# Altium PCB SAMA5D27-SOM1-MFG-03.PcbDoc (part 2 of 6) (continued)
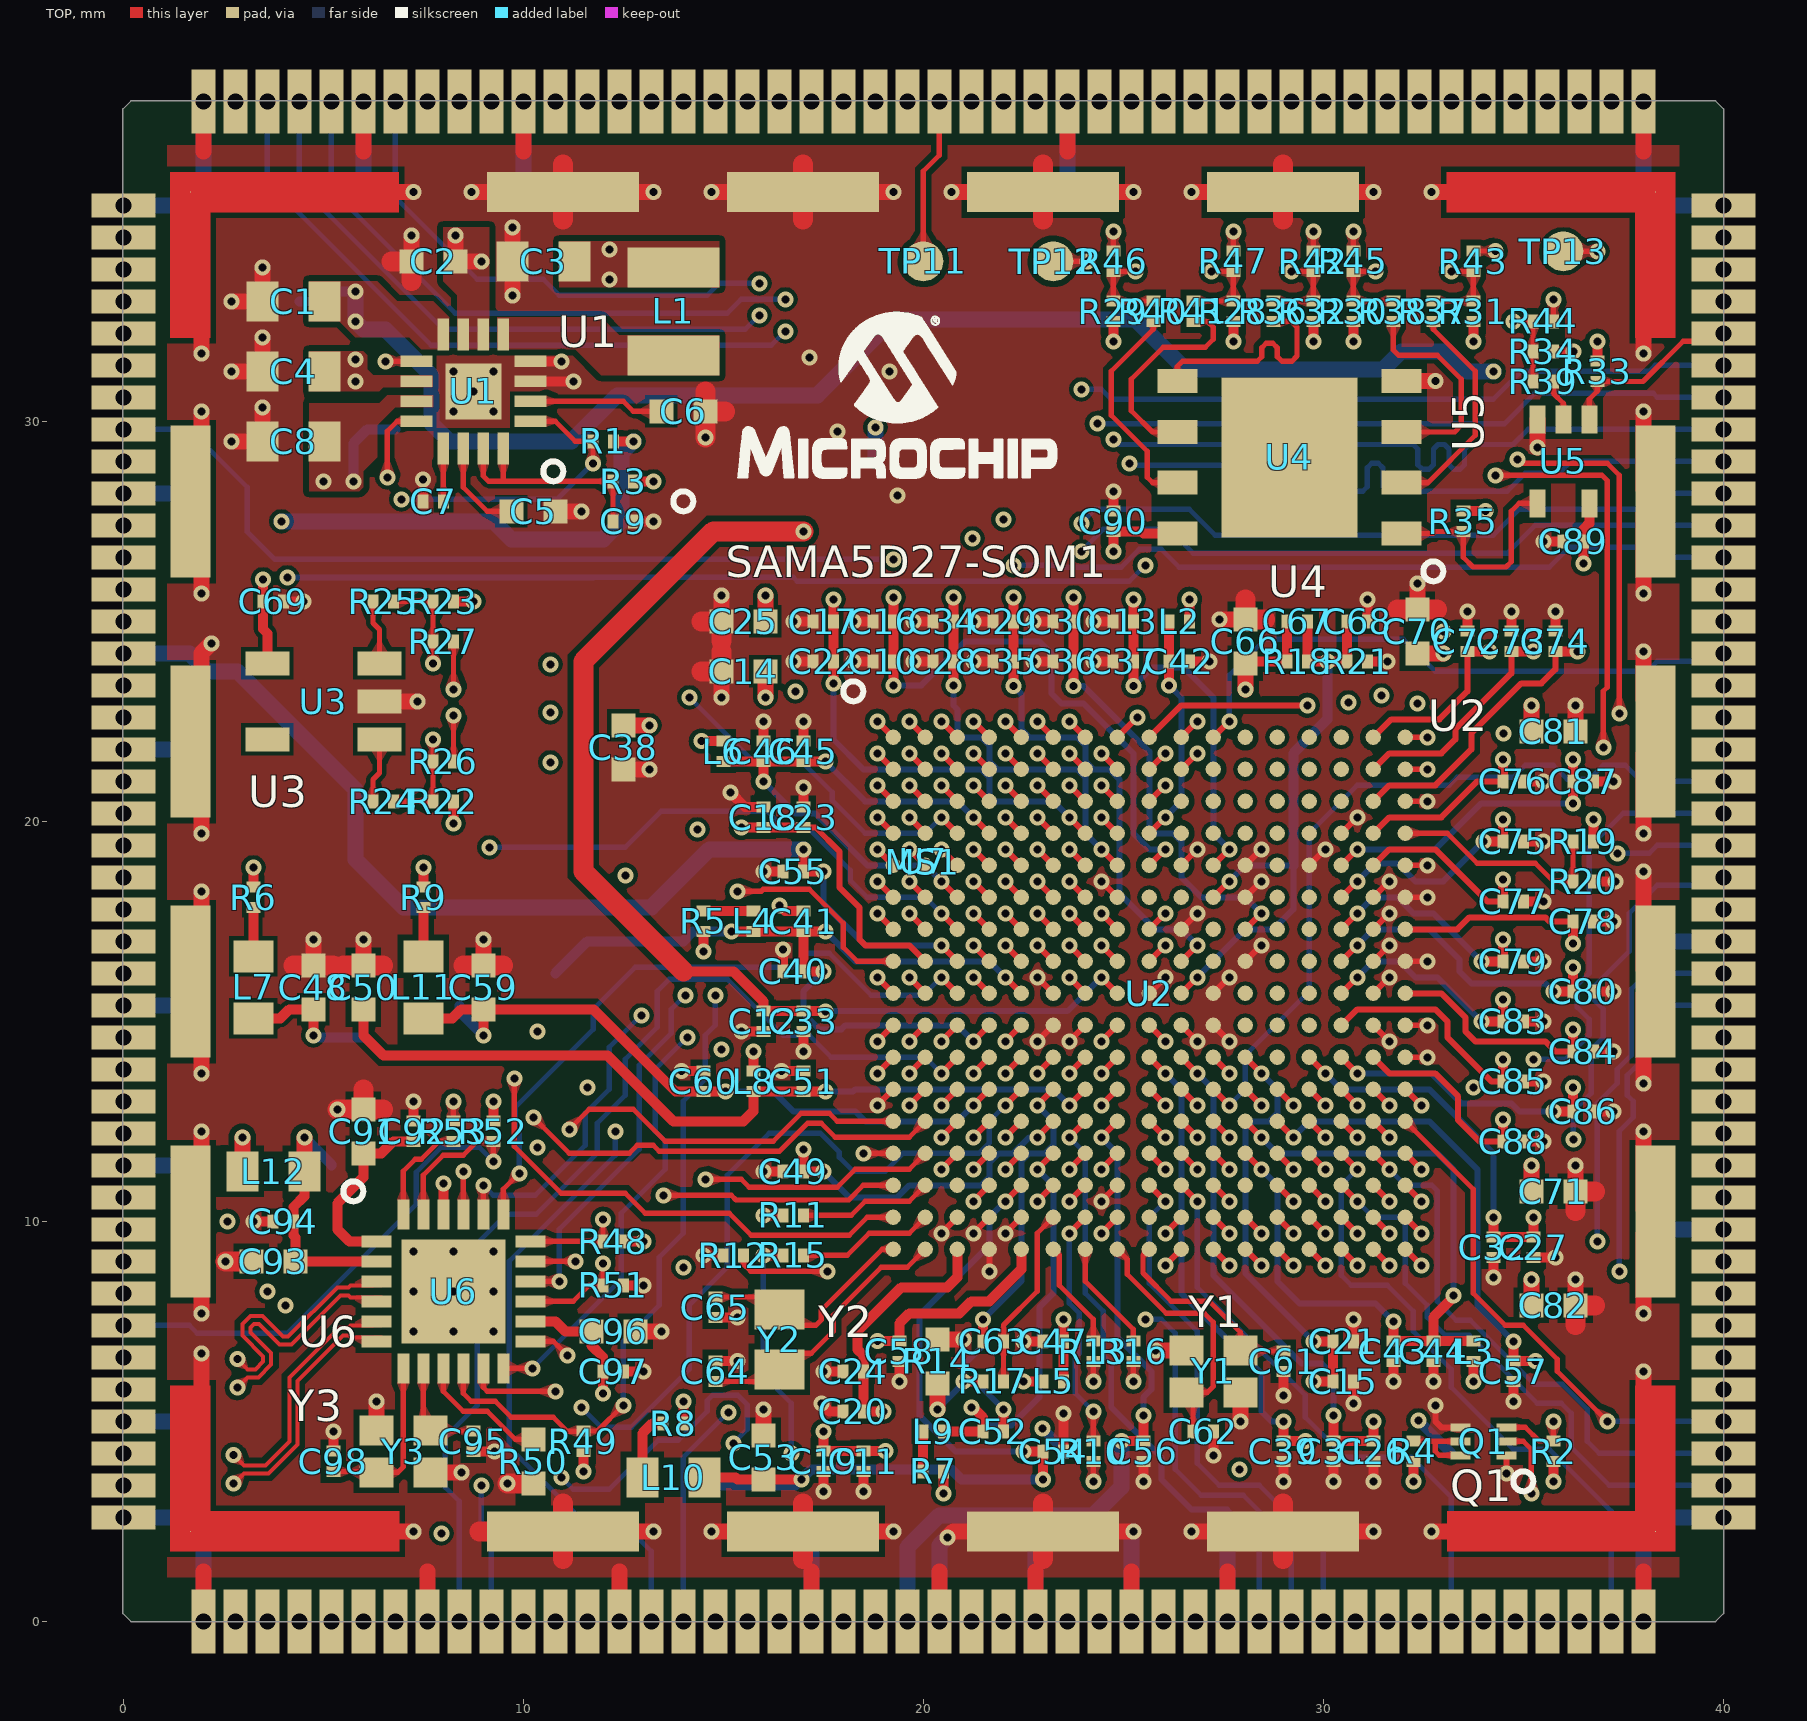
[diagram p0: TOP view]
## Nets (pads, with @x,y where several pads share a name; then routed paths per layer and width w, separated by ;. In a path a pad name is that pad's centre, name@x,y a point inside that pad or via, vN(x,y) a via of type N, cw(c..) or ccw(c..) an arc to the next point about the centre after c; other vN are vias at no path point) (continued)
  TOP w0.15: v1(24.45,20.9) U2.C8@24.85,20.5
  IN2 w0.09: v1(24.45,20.9) 24.975,21.425 24.975,22.825 25.164,23.014 25.464,23.014 25.78,23.33 25.78,23.75 26,23.97 26,24.9 26.29,25.19 26.29,27.81 v1(25.15,28.95)
  BOTTOM w0.13: v1(25.15,28.95) 25.2,28.9 29.35,28.9 30,28.25 30.985,28.25 31.099,28.364 31.099,28.836 31.214,28.95 31.375,28.95 31.489,28.836 31.489,28.364 31.604,28.25 34.6,28.25 35.05,28.7 35.9,28.7 36.2,29 U7.122@40,29
PB02/PWMFI0/CLASSD_R1: U2.C7 U7.124 | length 26.7
  TOP w0.15: v1(23.65,20.9) U2.C7@24.05,20.5
  IN2 w0.09: v1(23.65,20.9) 24.05,21.3 24.05,21.9 24.45,22.3 24.45,23.387 25.05,23.987 25.05,25.235 24.875,25.41 24.875,25.775 25.15,26.05 25.15,27.3 24.35,28.1 v1(24.35,29.94)
  BOTTOM w0.13: v1(24.35,29.94) 34.528,29.94 35.288,30.7 38.25,30.7 38.35,30.6 U7.124@40,30.6
PB03/URXD4/IRQ/PWMEXTRG0/CLASSD: U2.B8 U7.123 | length 26.9
  TOP w0.15: v1(24.45,21.7) U2.B8@24.85,21.3
  IN2 w0.09: v1(24.45,21.7) 24.71,21.96 24.71,23.35 25.55,24.19 25.55,25.2 25.85,25.5 25.85,26.1 25.93,26.18 25.93,26.62 25.85,26.7 25.85,27.7 24.75,28.8 v1(24.75,29.55)
  BOTTOM w0.13: v1(24.75,29.55) 24.88,29.42 32.249,29.42 32.363,29.306 32.363,28.914 32.477,28.8 32.639,28.8 32.753,28.914 32.753,29.306 32.868,29.42 33.029,29.42 33.143,29.306 33.143,28.914 33.258,28.8 33.419,28.8 33.533,28.914 33.533,29.306 33.647,29.42 34.743,29.42 35.123,29.8 U7.123@40,29.8
PB04/UTXD4/FIQ/CLASSD_R3: U2.B7 U7.125 | length 26.9
  TOP w0.15: v1(23.65,21.7) U2.B7@24.05,21.3
  IN2 w0.09: v1(23.65,21.7) 23.65,21.95 24.15,22.45 24.15,23.384 24.65,23.884 24.65,25.125 24.5,25.275 24.5,26.3 24.35,26.45 24.35,27.566 23.95,27.966 v1(23.95,30.8)
  BOTTOM w0.13: v1(23.95,30.8) 24.45,30.8 24.7,30.55 34.25,30.55 34.95,31.25 38.15,31.25 38.3,31.4 U7.125@40,31.4
PB05/TCLK2/PWMH2/QSPI1_SCK: R47.2 U7.134 | length 12.5
  TOP w0.13: R47.2@27.75,34.255 v1(27.75,34.75)
  IN2 w0.09: v1(27.75,34.75) 29.15,36.15 34.067,36.15 34.146,36.071 34.146,35.679 34.225,35.6 34.337,35.6 34.416,35.679 34.416,36.071 34.495,36.15 34.607,36.15 34.686,36.071 34.686,35.679 34.765,35.6 34.877,35.6 34.956,35.679 34.956,36.071 35.035,36.15 35.4,36.15 35.6,36.35 U7.134@35.6,38
PB06/TIOA2/PWML2/QSPI1_CS: R44.1 U7.127 | length 12.5
  TOP w0.13: R44.1@35.755,32.5 v1(35.755,33.05)
  IN2 w0.09: v1(35.755,33.05) 35.3,32.595 35.3,31.4 35.45,31.25 35.722,31.25 35.801,31.171 35.801,30.729 35.88,30.65 35.992,30.65 36.071,30.729 36.071,31.171 36.15,31.25 36.261,31.25 36.341,31.171 36.341,30.729 36.42,30.65 36.531,30.65 36.611,30.729 36.611,31.171 36.69,31.25 36.802,31.25 36.881,31.171 36.881,30.729 36.96,30.65 37.072,30.65 37.151,30.729 37.151,31.171 37.23,31.25 37.342,31.25 37.421,31.171 37.421,30.729 37.5,30.65 37.611,30.65 37.691,30.729 37.691,31.171 37.77,31.25 38.35,31.25 38.65,31.55 38.65,32.6 39.05,33 U7.127@40,33
PB07/TIOB2/PWMH3/QSPI1_IO0: R42.2 U7.133 | length 12.4
  TOP w0.13: R42.2@29.75,34.255 v1(29.75,34.75)
  IN2 w0.09: v1(29.75,34.75) 30.15,35.15 33.163,35.15 33.242,35.229 33.242,35.621 33.322,35.7 33.433,35.7 33.513,35.621 33.513,35.229 33.592,35.15 35.9,35.15 36.4,35.65 36.4,35.969 36.479,36.048 36.821,36.048 36.9,36.127 36.9,36.239 36.821,36.318 36.479,36.318 36.4,36.397 36.4,36.509 36.479,36.588 36.821,36.588 36.9,36.667 36.9,36.779 36.821,36.858 36.479,36.858 36.4,36.937 U7.133@36.4,38
PB08/TCLK3/PWML3/QSPI1_IO1: R43.2 U7.128 | length 12.3
  TOP w0.13: R43.2@33.75,34.255 v1(34.3,34.255)
  IN2 w0.09: v1(34.3,34.255) 34.3,33.75 34.6,33.45 34.831,33.45 34.91,33.529 34.91,34.021 34.99,34.1 35.101,34.1 35.181,34.021 35.181,33.529 35.26,33.45 35.371,33.45 35.451,33.529 35.451,34.021 35.53,34.1 35.641,34.1 35.721,34.021 35.721,33.529 35.8,33.45 36.05,33.45 36.3,33.2 36.3,32.6 36.5,32.4 36.86,32.4 36.939,32.479 36.939,32.771 37.018,32.85 37.13,32.85 37.209,32.771 37.209,32.479 37.288,32.4 37.4,32.4 37.479,32.479 37.479,32.771 37.558,32.85 37.67,32.85 37.749,32.771 37.749,32.479 37.828,32.4 38.15,32.4 38.3,32.55 38.3,33.3 38.8,33.8 U7.128@40,33.8
PB09/TIOA3/PWMFI1/QSPI1_IO2: R45.2 U7.132 | length 12.3
  TOP w0.13: R45.2@30.75,34.255 v1(30.75,34.75)
  IN2 w0.09: v1(30.75,34.75) 36.35,34.75 37.2,35.6 37.2,35.834 37.279,35.913 37.871,35.913 37.95,35.992 37.95,36.104 37.871,36.183 37.279,36.183 37.2,36.262 37.2,36.374 37.279,36.453 37.871,36.453 37.95,36.532 37.95,36.644 37.871,36.723 37.279,36.723 37.2,36.802 U7.132@37.2,38
PB10/TIOB3/PWMEXTRG1/QSPI1_IO3: R46.2 U7.135 | length 12.5
  TOP w0.13: R46.2@24.75,34.255 v1(24.75,34.75)
  IN2 w0.09: v1(24.75,34.75) 25.3,35.3 25.6,35.3 26.9,36.6 34.4,36.6 34.8,37 U7.135@34.8,38
PB11/LCDDAT0/URXD3/PDMDAT0: U2.A7 U7.148 | length 17.1
  TOP w0.15: v1(23.65,22.5) U2.A7@24.05,22.1
  IN2 w0.09: v1(23.65,22.5) 23.3,22.85 23.3,23.44 23.65,23.79 23.65,24.95 24.12,25.42 24.12,25.93 23.55,26.5 23.55,36.05 24.4,36.9 U7.148@24.4,38
PB12/LCDDAT1/UTXD3/PDMCLK0: U2.B6 U7.151 | length 17.8
  TOP w0.15: v1(22.85,21.7) U2.B6@23.25,21.3
  IN2 w0.09: U7.151@22,38 22,36.75 22.95,35.8 22.95,25.5 23.15,25.3 23.15,23.884 22.619,23.353 22.619,23.119 22.45,22.95 22.45,22.1 v1(22.85,21.7)
PB13/LCDDAT2/PCK1: U2.C5 U7.155 | length 19.4
  TOP w0.15: v1(22.05,20.9) U2.C5@22.45,20.5
  IN2 w0.09: U7.155@18.8,38 18.8,35.4 22,32.2 v1(22,27.55)
  IN3 w0.09: v1(22,27.55) 21.8,27.35 21.8,25.35 21.9,25.25 21.9,23.6 21.65,23.35 21.65,21.3 v1(22.05,20.9)
PB14/LCDDAT3/TK1/I2SMCK1: U2.A6 U7.150 | length 16.5
  TOP w0.15: v1(22.85,22.5) U2.A6@23.25,22.1
  IN2 w0.09: U7.150@22.8,38 22.8,36.55 23.25,36.1 23.25,25.5 23.4,25.35 23.4,23.837 22.85,23.287 v1(22.85,22.5)
PB15/LCDDAT4/TF1/I2SCK1: U2.E4 U7.162 | length 25.1
  TOP w0.15: v1(21.25,19.3) U2.E4@21.65,18.9
  IN3 w0.09: U7.162@13.2,38 13.2,36.95 13.95,36.2 13.95,35.35 15.2,34.1 15.2,32 15.65,31.55 15.65,22.65 15.6,22.6 15.6,20.7 16,20.3 17.9,20.3 18.5,19.7 20.85,19.7 v1(21.25,19.3)
PB16/LCDDAT5/TD1/I2SWS1: U2.B5 U7.154 | length 18.5
  TOP w0.15: v1(22.05,21.7) U2.B5@22.45,21.3
  IN2 w0.09: U7.154@19.6,38 19.6,36.3 20,35.9 20,35.6 22.4,33.2 22.4,27.4 21.875,26.875 21.875,23.812 21.65,23.587 21.65,22.1 v1(22.05,21.7)
PB17/LCDDAT6/RD1/I2SDI1: U2.C4 U7.157 | length 20
  TOP w0.15: v1(21.25,20.9) U2.C4@21.65,20.5
  IN2 w0.09: U7.157@17.2,38 17.2,35.85 21.225,31.825 v1(21.225,27.075)
  IN3 w0.09: v1(21.225,27.075) 21.225,26.175 21.55,25.85 21.55,25.25 21.65,25.15 21.65,23.75 20.85,22.95 20.85,21.3 v1(21.25,20.9)
PB18/LCDDAT7/RK1/I2SDO1: U2.A5 U7.152 | length 17
  TOP w0.15: v1(22.05,22.5) U2.A5@22.45,22.1
  IN2 w0.09: U7.152@21.2,38 21.2,36.85 22.65,35.4 22.65,25.45 22.2,25 22.2,23.84 21.89,23.53 21.89,23.01 22.05,22.85 v1(22.05,22.5)
PB19/LCDDAT8/RF1/TIOA3: U2.B4 U7.158 | length 19.4
  TOP w0.15: v1(21.25,21.7) U2.B4@21.65,21.3
  IN2 w0.09: U7.158@16.4,38 16.4,36.1 20.75,31.75 20.75,26.15 21.15,25.75 21.15,25.45 20.85,25.15 20.85,23.85 21.125,23.575 21.125,23.225 20.85,22.95 20.85,22.1 v1(21.25,21.7)
PB20/LCDDAT9/TK0/TIOB3/PCK1: U2.A4 U7.156 | length 17.7
  TOP w0.15: v1(21.25,22.5) U2.A4@21.65,22.1
  IN2 w0.09: U7.156@18,38 18,35.65 21.625,32.025 21.625,23.859 21.4,23.634 21.4,23.1 21.25,22.95 v1(21.25,22.5)
PB21/LCDDAT10/TF0/TCLK3/FLEXCOM: U2.D3 U7.164 | length 24.5
  TOP w0.15: v1(20.45,20.1) U2.D3@20.85,19.7
  IN3 w0.09: U7.164@11.6,38 11.6,31.7 14.15,29.15 v1(14.15,23.1)
  BOTTOM w0.13: v1(14.15,23.1) 15.8,21.45 17,21.45 17.725,20.725 17.725,20.525 18.55,19.7 20.05,19.7 v1(20.45,20.1)
PB22/LCDDAT11/TD0/TIOA2/FLEXCOM: U2.C3 U7.161 | length 21.4
  TOP w0.15: v1(20.45,20.9) U2.C3@20.85,20.5
  IN2 w0.09: v1(16.8,23.25) 18.2,21.85 18.2,21.55 18.45,21.3 20.05,21.3 v1(20.45,20.9)
  IN3 w0.09: U7.161@14,38 14,36.95 14.2,36.75 14.2,35.5 15.5,34.2 15.5,32.2 16.45,31.25 16.45,25.35 16.25,25.15 16.25,23.8 v1(16.8,23.25)
PB23/LCDDAT12/RD0/TIOB2/FLEXCOM: U2.B3 U7.160 | length 19.3
  TOP w0.15: v1(20.45,21.7) U2.B3@20.85,21.3
  IN2 w0.09: U7.160@14.8,38 14.8,36.7 19.9,31.6 19.9,28 20,27.9 20,25.35 20.15,25.2 20.15,23.8 20.05,23.7 20.05,22.1 v1(20.45,21.7)
PB24/LCDDAT13/RK0/TCLK2/FLEXCOM: U2.E2 U7.168 | length 28.6
  TOP w0.15: v1(19.65,19.3) U2.E2@20.05,18.9
  IN2 w0.09: v1(10.675,21.475) 11.55,20.6 14.5,20.6 14.85,20.25 15.6,20.25 16.15,19.7 17.15,19.7 17.95,18.9 19.25,18.9 v1(19.65,19.3)
  IN3 w0.09: U7.168@8.4,38 8.4,36.8 10.2,35 10.2,32.95 9.75,32.5 9.75,22.4 v1(10.675,21.475)
PB25/LCDDAT14/RF0/FLEXCOM3_IO4: U2.A3 U7.159 | length 18.2
  TOP w0.15: v1(20.45,22.5) U2.A3@20.85,22.1
  IN2 w0.09: U7.159@15.6,38 15.6,36.4 20.3,31.7 20.3,25.45 20.5,25.25 20.5,23.75 20.35,23.6 20.35,23.15 20.45,23.05 v1(20.45,22.5)
PB26/LCDDAT15/URXD0: U2.G3 U7.169 | length 32.7
  TOP w0.15: v1(20.45,17.7) U2.G3@20.85,17.3
  IN3 w0.09: U7.169@7.6,38 7.6,36.05 7.75,35.9 7.75,30.1 9.15,28.7 v1(9.15,19.35)
  BOTTOM w0.13: v1(9.15,19.35) 12.55,19.35 13.45,20.25 16.1,20.25 16.55,19.8 17.15,19.8 18.175,18.775 18.175,18.525 18.6,18.1 20.05,18.1 v1(20.45,17.7)
PB27/LCDDAT16/UTXD0: U2.F4 U7.163 | length 27.7
  TOP w0.15: v1(21.25,18.5) U2.F4@21.65,18.1
  IN3 w0.09: U7.163@12.4,38 12.4,36.9 12.875,36.425 13.125,36.425 13.65,35.9 13.65,35.25 14.9,34 14.9,31.8 15.3,31.4 15.3,26.05 15.35,26 15.35,22.7 15.3,22.65 15.3,22.05 14.75,21.5 14.75,20 15.55,19.2 16.2,19.2 16.7,19.7 17.65,19.7 18.45,18.9 20.85,18.9 v1(21.25,18.5)
PB28/LCDDAT17/FLEXCOM0_IO0/TIOA: U2.D2 U7.167 | length 27.6
  TOP w0.15: v1(19.65,20.1) U2.D2@20.05,19.7
  IN2 w0.09: v1(10.675,22.725) 11.65,21.75 13.625,21.75 14,21.375 16.175,21.375 16.375,21.175 16.375,20.525 16.7,20.2 17.35,20.2 17.85,19.7 19.25,19.7 v1(19.65,20.1)
  IN3 w0.09: U7.167@9.2,38 9.2,36.45 10.55,35.1 10.55,32.9 10.15,32.5 10.15,23.25 v1(10.675,22.725)
PB29/LCDDAT18/FLEXCOM0_IO1/TIOB: U2.G8 U7.144 | length 36.7
  TOP w0.15: v1(24.45,17.7) U2.G8@24.85,17.3
  IN2 w0.09: v1(24.45,17.7) 24.85,17.3 28.7,17.3 29.4,18 29.4,19.45 30.85,20.9 33.2,20.9 v1(34.5,22.2)
  IN3 w0.09: U7.144@27.6,38 27.6,36.3 29.775,34.125 33.414,34.125 34.125,33.414 34.125,32.014 36.4,29.739 36.4,27.35 35.9,26.85 35.9,26.1 36.2,25.8 36.2,25 35.65,24.45 35.65,22.7 35.15,22.2 v1(34.5,22.2)
PB30/LCDDAT19/FLEXCOM0_IO2/TCLK: U2.C2 U7.165 | length 25.4
  TOP w0.15: v1(19.65,20.9) U2.C2@20.05,20.5
  IN2 w0.09: v1(10.675,23.925) 12.225,23.925 13.75,22.4 14.7,22.4 15.25,21.85 16.6,21.85 17.95,20.5 19.25,20.5 v1(19.65,20.9)
  IN3 w0.09: v1(10.675,23.925) 10.675,31.075 10.55,31.2 10.55,32.4 10.9,32.75 10.9,35.25 10.8,35.35 U7.165@10.8,38
PB31/LCDDAT20/FLEXCOM0_IO3: U2.G7 U7.143 | length 39.2
  TOP w0.15: v1(23.65,17.7) U2.G7@24.05,17.3
  IN3 w0.09: v1(23.65,17.7) 24.05,17.3 24.05,16.7 24.25,16.5 31.8,16.5 32.4,17.1 33.4,17.1 34.05,17.75 34.05,18.7 34.875,19.525 34.875,21.625 35.9,22.65 35.9,24.35 36.611,25.061 36.611,25.827 36.14,26.299 36.14,26.69 36.65,27.2 36.65,29.843 34.375,32.118 34.375,33.518 33.518,34.375 30.475,34.375 30.221,34.629 30.221,34.871 28.4,36.693 U7.143@28.4,38
PC00/LCDDAT21/FLEXCOM0_IO4: U2.N10 U7.145 | length 44.9
  TOP w0.13: v1(34.85,29.05) 34.95,28.95 37.1,28.95 37.4,28.65 v1(37.4,22.7)
  TOP w0.15: U2.N10@26.45,12.5 v1(26.85,12.1)
  IN2 w0.09: v1(26.85,12.1) 27.25,12.5 27.25,14.7 27.65,15.1 28.6,15.1 30,16.5 31.85,16.5 32.25,16.9 33.4,16.9 34.1,17.6 36.1,17.6 36.375,17.875 38.425,17.875 38.85,18.3 38.85,20.4 37.4,21.85 v1(37.4,22.7)
  IN3 w0.09: U7.145@26.8,38 26.8,36.7 26.3,36.2 26.3,34.05 27.45,32.9 28.25,32.9 30.6,30.55 33,30.55 34.5,29.05 v1(34.85,29.05)
PC01/LCDDAT22/CANTX0/SPI1_SPCK/: U2.N11 U7.141 | length 41.3
  TOP w0.15: U2.N11@27.25,12.5 v1(27.65,12.1)
  IN3 w0.09: v1(27.65,12.1) 27.25,12.5 27.25,14.7 27.8,15.25 32.35,15.25 32.55,15.45 34.05,15.45 34.35,15.15 34.95,15.15 35.175,15.375 36.175,15.375 36.61,15.81 36.61,17.14 36.35,17.4 36.35,19.7 35.88,20.17 35.88,20.63 36.625,21.375 36.625,22.125 36.95,22.45 36.95,23.8 37.15,24 37.15,30.05 35.8,31.4 35.8,32.45 35.35,32.9 35.35,34.4 34.7,35.05 31.4,35.05 30,36.45 U7.141@30,38
PC02/LCDDAT23/CANRX0/SPI1_MOSI/: U2.N9 U7.146 | length 45.5
  TOP w0.13: v1(34.3,28.65) 36.97,28.65 37.1,28.52 37.1,23.35 37,23.25 v1(37,21.85)
  TOP w0.15: U2.N9@25.65,12.5 v1(26.05,12.1)
  IN2 w0.09: v1(26.05,12.1) 26.45,12.5 26.45,15 26.85,15.4 28.35,15.4 30.25,17.3 33,17.3 33.85,18.15 34.9,18.15 35.15,18.4 36,18.4 36.275,18.125 38.175,18.125 38.55,18.5 38.55,20.3 v1(37,21.85)
  IN3 w0.09: U7.146@26,38 26,33.9 27.35,32.55 28.1,32.55 30.4,30.25 32.7,30.25 v1(34.3,28.65)
PC03/LCDPWM/TIOA1/SPI1_MISO/I2S: U2.M10 U7.142 | length 39.8
  TOP w0.15: U2.M10@26.45,13.3 v1(26.85,12.9)
  IN3 w0.09: v1(26.85,12.9) 26.45,13.3 26.45,14.65 27.35,15.55 32.25,15.55 32.6,15.9 34.35,15.9 35.9,17.45 35.9,19.7 35.1,20.5 35.1,21.116 36.7,22.716 36.7,24.1 36.9,24.3 36.9,29.946 35.5,31.346 35.5,32.35 35.1,32.75 35.1,34.15 34.45,34.8 31.25,34.8 29.2,36.85 U7.142@29.2,38
PC04/LCDDISP/TIOB1/SPI1_NPCS0/I: U2.N15 U7.136 | length 38.9
  TOP w0.15: U2.N15@30.45,12.5 v1(30.85,12.1)
  IN3 w0.09: v1(30.85,12.1) 31.25,12.5 31.8,12.5 32.2,12.1 33.1,12.1 34.3,10.9 37.25,10.9 38.65,12.3 38.65,17.8 39,18.15 39,34.1 36.8,36.3 34.65,36.3 34,36.95 U7.136@34,38
PC05/LCDVSYNC/TCLK1/SPI1_NPCS1/: U2.M16 U7.137 | length 37
  TOP w0.15: U2.M16@31.25,13.3 v1(31.65,12.9)
  IN3 w0.09: v1(31.65,12.9) 31.9,12.9 32.3,12.5 33.75,12.5 34.2,12.05 34.7,12.05 35.025,12.375 35.925,12.375 36,12.45 36.65,12.45 36.8,12.3 37.4,12.3 38.4,13.3 38.4,18.05 38.7,18.35 38.7,34.05 36.7,36.05 33.95,36.05 33.2,36.8 U7.137@33.2,38
PC06/LCDHSYNC/TWD1/SPI1_NPCS2: U2.L11 U7.140 | length 39.9
  TOP w0.15: U2.L11@27.25,14.1 v1(27.65,13.7)
  IN3 w0.09: v1(27.65,13.7) 28.55,14.6 30.7,14.6 31,14.9 31.95,14.9 32.35,14.5 33.6,14.5 33.725,14.625 35.525,14.625 35.8,14.35 36.45,14.35 36.82,14.72 36.82,17.28 36.6,17.5 36.6,19.35 37.9,20.65 37.9,23.1 37.4,23.6 37.4,34.3 36.4,35.3 32.4,35.3 30.8,36.9 U7.140@30.8,38
PC07/LCDPCK/TWCK1/SPI1_NPCS3/UR: U2.M15 U7.139 | length 37.6
  TOP w0.15: U2.M15@30.45,13.3 v1(30.85,12.9)
  IN2 w0.09: v1(30.85,12.9) 31.25,13.3 32.85,13.3 32.9,13.35 v1(33.75,13.35)
  IN3 w0.09: U7.139@31.6,38 31.6,36.85 32.125,36.325 32.675,36.325 33.45,35.55 36.5,35.55 37.635,34.415 37.635,24.015 38.15,23.5 38.15,20.55 36.9,19.3 36.9,18.24 37.19,17.95 37.45,17.95 37.65,17.75 37.65,15.2 36.35,13.9 35.916,13.9 35.401,14.415 34.344,14.415 33.75,13.821 v1(33.75,13.35)
PC08/LCDDEN/FIQ/PCK0/UTXD1: U2.M13 U7.138 | length 38.4
  TOP w0.15: U2.M13@28.85,13.3 v1(29.25,12.9)
  IN3 w0.09: v1(29.25,12.9) 29.65,13.3 33.05,13.3 33.4,12.95 35.35,12.95 35.525,13.125 35.925,13.125 36.1,12.95 36.55,12.95 38.05,14.45 38.05,18.25 38.4,18.6 38.4,34 36.6,35.8 33.6,35.8 32.4,37 U7.138@32.4,38
PC09/FIQ/ISI_D0/TIOA4: U2.B2 U7.2 | length 30.8
  TOP w0.15: v1(19.65,21.7) U2.B2@20.05,21.3
  IN2 w0.09: U7.2@0,34.6 1.35,34.6 3.15,36.4 11.4,36.4 14.85,32.95 14.85,31.15 18.75,27.25 18.75,25.5 18.85,25.4 18.85,23.25 19.25,22.85 19.25,22.1 v1(19.65,21.7)
PC10/ISI_D1/TIOB4/CANTX0: U2.G4 U7.9 | length 28.4
  TOP w0.15: v1(21.25,17.7) U2.G4@21.65,17.3
  IN2 w0.09: U7.9@0,29 3.3,29 5.15,27.15 7.65,27.15 9.8,25 9.8,21.75 11.25,20.3 13.85,20.3 v1(14.35,19.8)
  IN3 w0.09: v1(14.35,19.8) 15.85,18.3 16.65,18.3 16.85,18.1 20.85,18.1 v1(21.25,17.7)
PC11/ISI_D2/TCLK4/CANRX0/A0/NBS: U2.A2 U7.175 | length 28.4
  TOP w0.15: v1(19.65,22.5) U2.A2@20.05,22.1
  IN2 w0.09: U7.175@2.8,38 2.8,36.9 3.05,36.65 11.7,36.65 15.2,33.15 15.2,31.4 19.7,26.9 19.7,25.5 19.35,25.15 19.35,23.85 19.65,23.55 v1(19.65,22.5)
PC12/ISI_D3/URXD3/TK0/A1: U2.A1 U7.3 | length 29.5
  TOP w0.15: v1(18.85,22.5) U2.A1@19.25,22.1
  IN2 w0.09: U7.3@0,33.8 1.55,33.8 3.9,36.15 11.15,36.15 14.5,32.8 14.5,30.934 18.35,27.084 18.35,25.55 18.625,25.275 18.625,23.05 18.85,22.825 v1(18.85,22.5)
PC13/ISI_D4/UTXD3/TF0/A2: U2.B1 U7.4 | length 25.2
  TOP w0.15: v1(18.85,21.7) U2.B1@19.25,21.3
  IN2 w0.09: U7.4@0,33 1.4,33 1.8,32.6 3.5,32.6 6.25,29.85 8.1,29.85 11.4,26.55 15.9,26.55 17.3,25.15 17.3,23.25 v1(18.85,21.7)
PC14/ISI_D5/TD0/A3: U2.G5 U7.8 | length 32.8
  TOP w0.15: v1(22.05,17.7) U2.G5@22.45,17.3
  IN3 w0.09: v1(19.25,26.55) 20.2,25.6 20.3,25.6 20.3,23.65 20.05,23.4 20.05,20.7 20.25,20.5 21.4,20.5 21.65,20.25 21.65,18.1 v1(22.05,17.7)
  BOTTOM w0.13: U7.8@0,29.8 1.65,29.8 3.1,28.35 3.1,27.23 3.78,26.55 v1(19.25,26.55)
PC15/ISI_D6/RD0/A4: U2.G2 U7.12 | length 25.5
  TOP w0.15: v1(19.65,17.7) U2.G2@20.05,17.3
  IN2 w0.09: U7.12@0,26.6 4.15,26.6 4.45,26.3 6.9,26.3 9.3,23.9 9.3,21.25 10.85,19.7 13.05,19.7 13.6,19.15 16.15,19.15 17.2,18.1 19.25,18.1 v1(19.65,17.7)
PC16/ISI_D7/RK0/A5: U2.G6 U7.174 | length 55
  TOP w0.15: v1(22.85,17.7) U2.G6@23.25,17.3
  IN3 w0.09: v1(16.55,32.25) 17.1,32.25 17.3,32.45 25,32.45 28.7,28.75 30.95,28.75 34,25.7 34,25.1 33.4,24.5 33.4,23.95 33.05,23.6 33.05,20.4 32.35,19.7 25.85,19.7 25.4,19.25 25.4,18.8 24.7,18.1 23.25,18.1 v1(22.85,17.7)
  BOTTOM w0.13: U7.174@3.6,38 3.6,36 7.7,31.9 16.2,31.9 v1(16.55,32.25)
PC17/ISI_D8/RF0/A6: U2.C1 U7.5 | length 24.9
  TOP w0.15: v1(18.85,20.9) U2.C1@19.25,20.5
  IN2 w0.09: U7.5@0,32.2 2.8,32.2 3.575,31.425 4.175,31.425 6.1,29.5 7.95,29.5 13.275,24.175 13.275,23.375 14,22.65 14.85,22.65 15.4,22.1 17.5,22.1 17.95,21.65 17.95,21.1 18.15,20.9 v1(18.85,20.9)
PC18/ISI_D9/FLEXCOM3_IO2/A7: U2.G9 U7.172 | length 52.3
  TOP w0.15: U2.G9@25.65,17.3 v1(26.05,17.7)
  IN3 w0.09: v1(16.55,33.05) 25.3,33.05 29,29.35 31.35,29.35 35.1,25.6 35.1,25.1 34.55,24.55 34.55,23.55 33.75,22.75 33.75,20.25 33.2,19.7 33.2,18.85 32.85,18.5 32.3,18.5 31.9,18.1 26.45,18.1 v1(26.05,17.7)
  BOTTOM w0.13: U7.172@5.2,38 5.2,35.8 8.3,32.7 15.1,32.7 15.45,33.05 v1(16.55,33.05)
PC19/ISI_D10/FLEXCOM3_IO1/A8: U2.D1 U7.6 | length 26.1
  TOP w0.15: v1(18.85,20.1) U2.D1@19.25,19.7
  IN2 w0.09: U7.6@0,31.4 1.3,31.4 1.6,31.1 2.1,31.1 4.1,29.1 7.75,29.1 10.3,26.55 10.3,23.7 12,22 13.775,22 14.15,21.625 16.275,21.625 16.625,21.275 16.625,20.675 16.85,20.45 17.45,20.45 17.8,20.1 v1(18.85,20.1)
PC20/ISI_D11/FLEXCOM3_IO0/A9: U2.H4 U7.14 | length 27.2
  TOP w0.15: v1(21.25,16.9) U2.H4@21.65,16.5
  IN2 w0.09: U7.14@0,25 3.4,25 3.6,24.8 7.6,24.8 8.7,23.7 8.7,20.75 10.8,18.65 v1(12.55,18.65)
  IN3 w0.09: v1(12.55,18.65) 13.5,17.7 15.5,17.7 15.95,17.25 16.75,17.25 17.15,17.65 17.75,17.65 18.1,17.3 20.85,17.3 v1(21.25,16.9)
PC21/ISI_PCK/FLEXCOM3_IO3/A10: U2.E1 U7.7 | length 26.1
  TOP w0.15: v1(18.85,19.3) U2.E1@19.25,18.9
  IN2 w0.09: U7.7@0,30.6 1.4,30.6 1.6,30.8 2,30.8 5.3,27.5 7.95,27.5 10.05,25.4 10.05,22.7 11.85,20.9 14.6,20.9 14.85,21.15 15.3,21.15 16.5,19.95 17.25,19.95 17.9,19.3 v1(18.85,19.3)
PC22/ISI_VSYNC/FLEXCOM3_IO4/A11: U2.F1 U7.11 | length 24.8
  TOP w0.15: v1(18.85,18.5) U2.F1@19.25,18.1
  IN2 w0.09: U7.11@0,27.4 1.9,27.4 2.35,26.95 4.35,26.95 4.6,26.7 7,26.7 9.55,24.15 9.55,21.5 11.05,20 13.3,20 13.9,19.4 16.25,19.4 17.3,18.35 17.75,18.35 17.9,18.5 v1(18.85,18.5)
PC23/ISI_HSYNC/A12: U2.H9 U7.170 | length 52.2
  TOP w0.15: U2.H9@25.65,16.5 v1(26.05,16.9)
  IN3 w0.09: v1(15.9,33.45) 16.75,33.45 16.85,33.35 25.5,33.35 29.2,29.65 31.5,29.65 35.35,25.8 35.35,24.9 34.85,24.4 34.85,23.3 34.1,22.55 34.1,20.25 33.55,19.7 33.55,18.2 33,17.65 32.3,17.65 31.95,17.3 26.45,17.3 v1(26.05,16.9)
  BOTTOM w0.13: U7.170@6.8,38 6.8,35.6 8.85,33.55 10.5,33.55 10.9,33.15 14.6,33.15 14.9,33.45 v1(15.9,33.45)
PC24/ISI_MCK/A13: U2.G1 U7.13 | length 24.4
  TOP w0.15: v1(18.85,17.7) U2.G1@19.25,17.3
  IN2 w0.09: U7.13@0,25.8 1.2,25.8 1.7,25.3 3.75,25.3 3.95,25.1 7.7,25.1 9,23.8 9,21.05 10.65,19.4 12.65,19.4 13.35,18.7 15.5,18.7 15.85,18.35 16.55,18.35 17.2,17.7 v1(18.85,17.7)
PC25/ISI_FIELD/A14: U2.H8 U7.173 | length 53.4
  TOP w0.15: v1(24.45,16.9) U2.H8@24.85,16.5
  IN3 w0.09: v1(15.9,32.65) 16.8,32.65 16.9,32.75 25.15,32.75 28.85,29.05 31.15,29.05 34.3,25.9 34.3,24.95 33.7,24.35 33.7,23.65 33.4,23.35 33.4,20.3 32,18.9 26.45,18.9 v1(24.45,16.9)
  BOTTOM w0.13: U7.173@4.4,38 4.4,35.9 8,32.3 15.55,32.3 v1(15.9,32.65)
PC26/CANTX1/A15: U2.F7 U7.115 | length 21.9
  TOP w0.15: v1(23.65,18.5) U2.F7@24.05,18.1
  IN2 w0.09: v1(23.65,18.5) 24.05,18.1 28.6,18.1 28.95,18.45 28.95,19.6 31,21.65 31,23.3 31.3,23.6 34.05,23.6 35.075,24.625 37.075,24.625 38.3,23.4 U7.115@40,23.4
PC27/PCK1/CANRX1/A16: U2.B10 U7.114 | length 15.1
  TOP w0.15: U2.B10@26.45,21.3 v1(26.85,21.7)
  IN2 w0.09: v1(31.45,23.15) 31.9,23.15 32.1,23.35 34.15,23.35 34.65,23.85 37.4,23.85 38.65,22.6 U7.114@40,22.6
  IN3 w0.09: v1(26.85,21.7) 30,21.7 v1(31.45,23.15)
PC28/FLEXCOM4_IO0/PCK2/A17: U2.F6 U7.117 | length 21.9
  TOP w0.15: v1(22.85,18.5) U2.F6@23.25,18.1
  IN2 w0.09: v1(33,24.75) 34.175,24.75 34.3,24.875 38.725,24.875 38.85,25 U7.117@40,25
  IN3 w0.09: v1(22.85,18.5) 23.25,18.9 24.7,18.9 25.1,19.3 25.1,19.9 25.7,20.5 29.75,20.5 31.75,22.5 32.45,22.5 32.75,22.8 32.75,23.65 32.6,23.8 32.6,24.35 v1(33,24.75)
PC29/FLEXCOM4_IO1/A18: U2.B9 U7.118 | length 17.3
  TOP w0.15: U2.B9@25.65,21.3 v1(26.05,21.7)
  IN2 w0.09: v1(30.625,22.975) 30.625,24.225 31.7,25.3 32.3,25.3 32.75,25.75 35.95,25.75 36.4,25.3 38.35,25.3 38.85,25.8 U7.118@40,25.8
  IN3 w0.09: v1(26.05,21.7) 26.45,22.1 29.75,22.1 v1(30.625,22.975)
PC30/FLEXCOM4_IO2/A19: U2.E6 U7.120 | length 25.3
  TOP w0.15: v1(22.85,19.3) U2.E6@23.25,18.9
  IN3 w0.09: v1(22.85,19.3) 23.25,19.7 23.25,23.55 23.375,23.675 23.375,26.175 v1(23.95,26.75)
  BOTTOM w0.13: v1(23.95,26.75) 24.5,27.3 26.15,27.3 26.75,26.7 34.6,26.7 35.3,27.4 U7.120@40,27.4
PC31/FLEXCOM4_IO3/URXD3/A20: U2.A11 U7.116 | length 15
  TOP w0.15: U2.A11@27.25,22.1 v1(27.65,22.5)
  BOTTOM w0.13: v1(27.65,22.5) 27.65,23.65 28.55,24.55 32,24.55 32.8,23.75 38.1,23.75 38.35,24 39.8,24 U7.116@40,24.2
PD00/FLEXCOM4_IO4/UTXD3/A23: U2.E7 U7.121 | length 26.3
  TOP w0.15: v1(23.65,19.3) U2.E7@24.05,18.9
  IN3 w0.09: v1(23.65,19.3) 24.05,19.7 24.05,22.8 24.15,22.9 24.15,23.55 23.85,23.85 23.85,25.15 24.35,25.65 24.35,27.05 v1(23.95,27.45)
  BOTTOM w0.13: v1(23.95,27.45) 24.3,27.8 26.65,27.8 27.3,27.15 34.25,27.15 34.9,27.8 37.95,27.8 38.35,28.2 U7.121@40,28.2
PD01/A24: U2.C9 U7.113 | length 16.2
  TOP w0.15: U2.C9@25.65,20.5 v1(26.05,20.9)
  IN2 w0.09: v1(32.35,22.95) 34.2,22.95 34.65,23.4 37.4,23.4 39,21.8 U7.113@40,21.8
  IN3 w0.09: v1(26.05,20.9) 29.75,20.9 31.8,22.95 v1(32.35,22.95)
PD02/URXD1/A25: U2.D8 U7.23 | length 39.9
  TOP w0.15: v1(24.45,20.1) U2.D8@24.85,19.7
  IN3 w0.09: U7.23@0,17.8 1.25,17.8 1.525,18.075 1.525,18.575 4.1,21.15 v1(4.1,26.1) ; v1(24.45,20.1) 24.85,20.5 24.85,22.3 24.65,22.5 24.65,25.5 v1(25.55,26.4)
  BOTTOM w0.13: 11.75,26.1 16.75,26.1 16.85,26 25.15,26 v1(25.55,26.4)
  BOTTOM w0.15: v1(4.1,26.1) 11.75,26.1
PD03/UTXD1/FIQ/NWAIT/PTCROW0: U2.J1 U7.24 | length 26.7
  TOP w0.15: v1(18.85,16.1) U2.J1@19.25,15.7
  IN2 w0.09: U7.24@0,17 1.95,17 2.45,17.5 2.9,17.5 2.979,17.579 2.979,17.971 3.058,18.05 3.17,18.05 3.249,17.971 3.249,17.579 3.328,17.5 3.44,17.5 3.519,17.579 3.519,17.971 3.598,18.05 3.71,18.05 3.789,17.971 3.789,17.579 3.868,17.5 3.98,17.5 4.059,17.579 4.059,17.971 4.138,18.05 4.25,18.05 4.329,17.971 4.329,17.579 4.408,17.5 4.52,17.5 4.599,17.579 4.599,17.971 4.678,18.05 4.79,18.05 4.869,17.971 4.869,17.579 4.948,17.5 5.06,17.5 5.139,17.579 5.139,17.971 5.218,18.05 5.33,18.05 5.409,17.971 5.409,17.579 5.488,17.5 5.6,17.5 5.679,17.579 5.679,17.971 5.758,18.05 5.87,18.05 5.949,17.971 5.949,17.579 6.028,17.5 6.14,17.5 6.219,17.579 6.219,17.971 6.298,18.05 6.41,18.05 6.489,17.971 6.489,17.579 6.568,17.5 14.5,17.5 14.61,17.61 15.39,17.61 15.83,17.17 16.68,17.17 17.235,16.615 17.835,16.615 18.35,16.1 v1(18.85,16.1)
PD04/TWD1/NCS0/PTCROW1: U2.H7 U7.27 | length 26.5
  TOP w0.15: v1(23.65,16.9) U2.H7@24.05,16.5
  IN2 w0.09: U7.27@0,14.6 2.6,14.6 4.2,16.2 11.2,16.2 11.35,16.35 15.3,16.35 16.035,15.615 17.735,15.615 18.1,15.25 22.75,15.25 23.25,15.75 23.25,16.5 v1(23.65,16.9)
PD05/TWCK1/NCS1/PTCROW2: U2.H1 U7.21 | length 26.4
  TOP w0.13: v1(15.35,18.25) 15.95,18.25 16,18.3 17.15,18.3 18,17.45 18,16.85 18.35,16.5 U2.H1@19.25,16.5
  IN2 w0.09: U7.21@0,19.4 1.45,19.4 1.55,19.3 3.47,19.3 3.549,19.379 3.549,19.871 3.628,19.95 3.74,19.95 3.819,19.871 3.819,19.379 3.898,19.3 4.01,19.3 4.089,19.379 4.089,19.871 4.168,19.95 4.28,19.95 4.359,19.871 4.359,19.379 4.438,19.3 4.55,19.3 4.629,19.379 4.629,19.871 4.708,19.95 4.82,19.95 4.899,19.871 4.899,19.379 4.978,19.3 5.09,19.3 5.169,19.379 5.169,19.871 5.248,19.95 5.36,19.95 5.439,19.871 5.439,19.379 5.518,19.3 5.63,19.3 5.709,19.379 5.709,19.871 5.788,19.95 5.9,19.95 5.979,19.871 5.979,19.379 6.058,19.3 6.35,19.3 7.4,18.25 v1(15.35,18.25)